# Altium PCB openservo_tessellated.PcbDoc (part 12 of 13)
Units mm, origin at the board's own origin, x right, y up, seen from the top; angles counter-clockwise.
Board outline 225 x 202.5 mm, 2 copper layers (Top Layer, Bottom Layer); 1250 components, 19 nets, 5300 pads, 1100 vias.
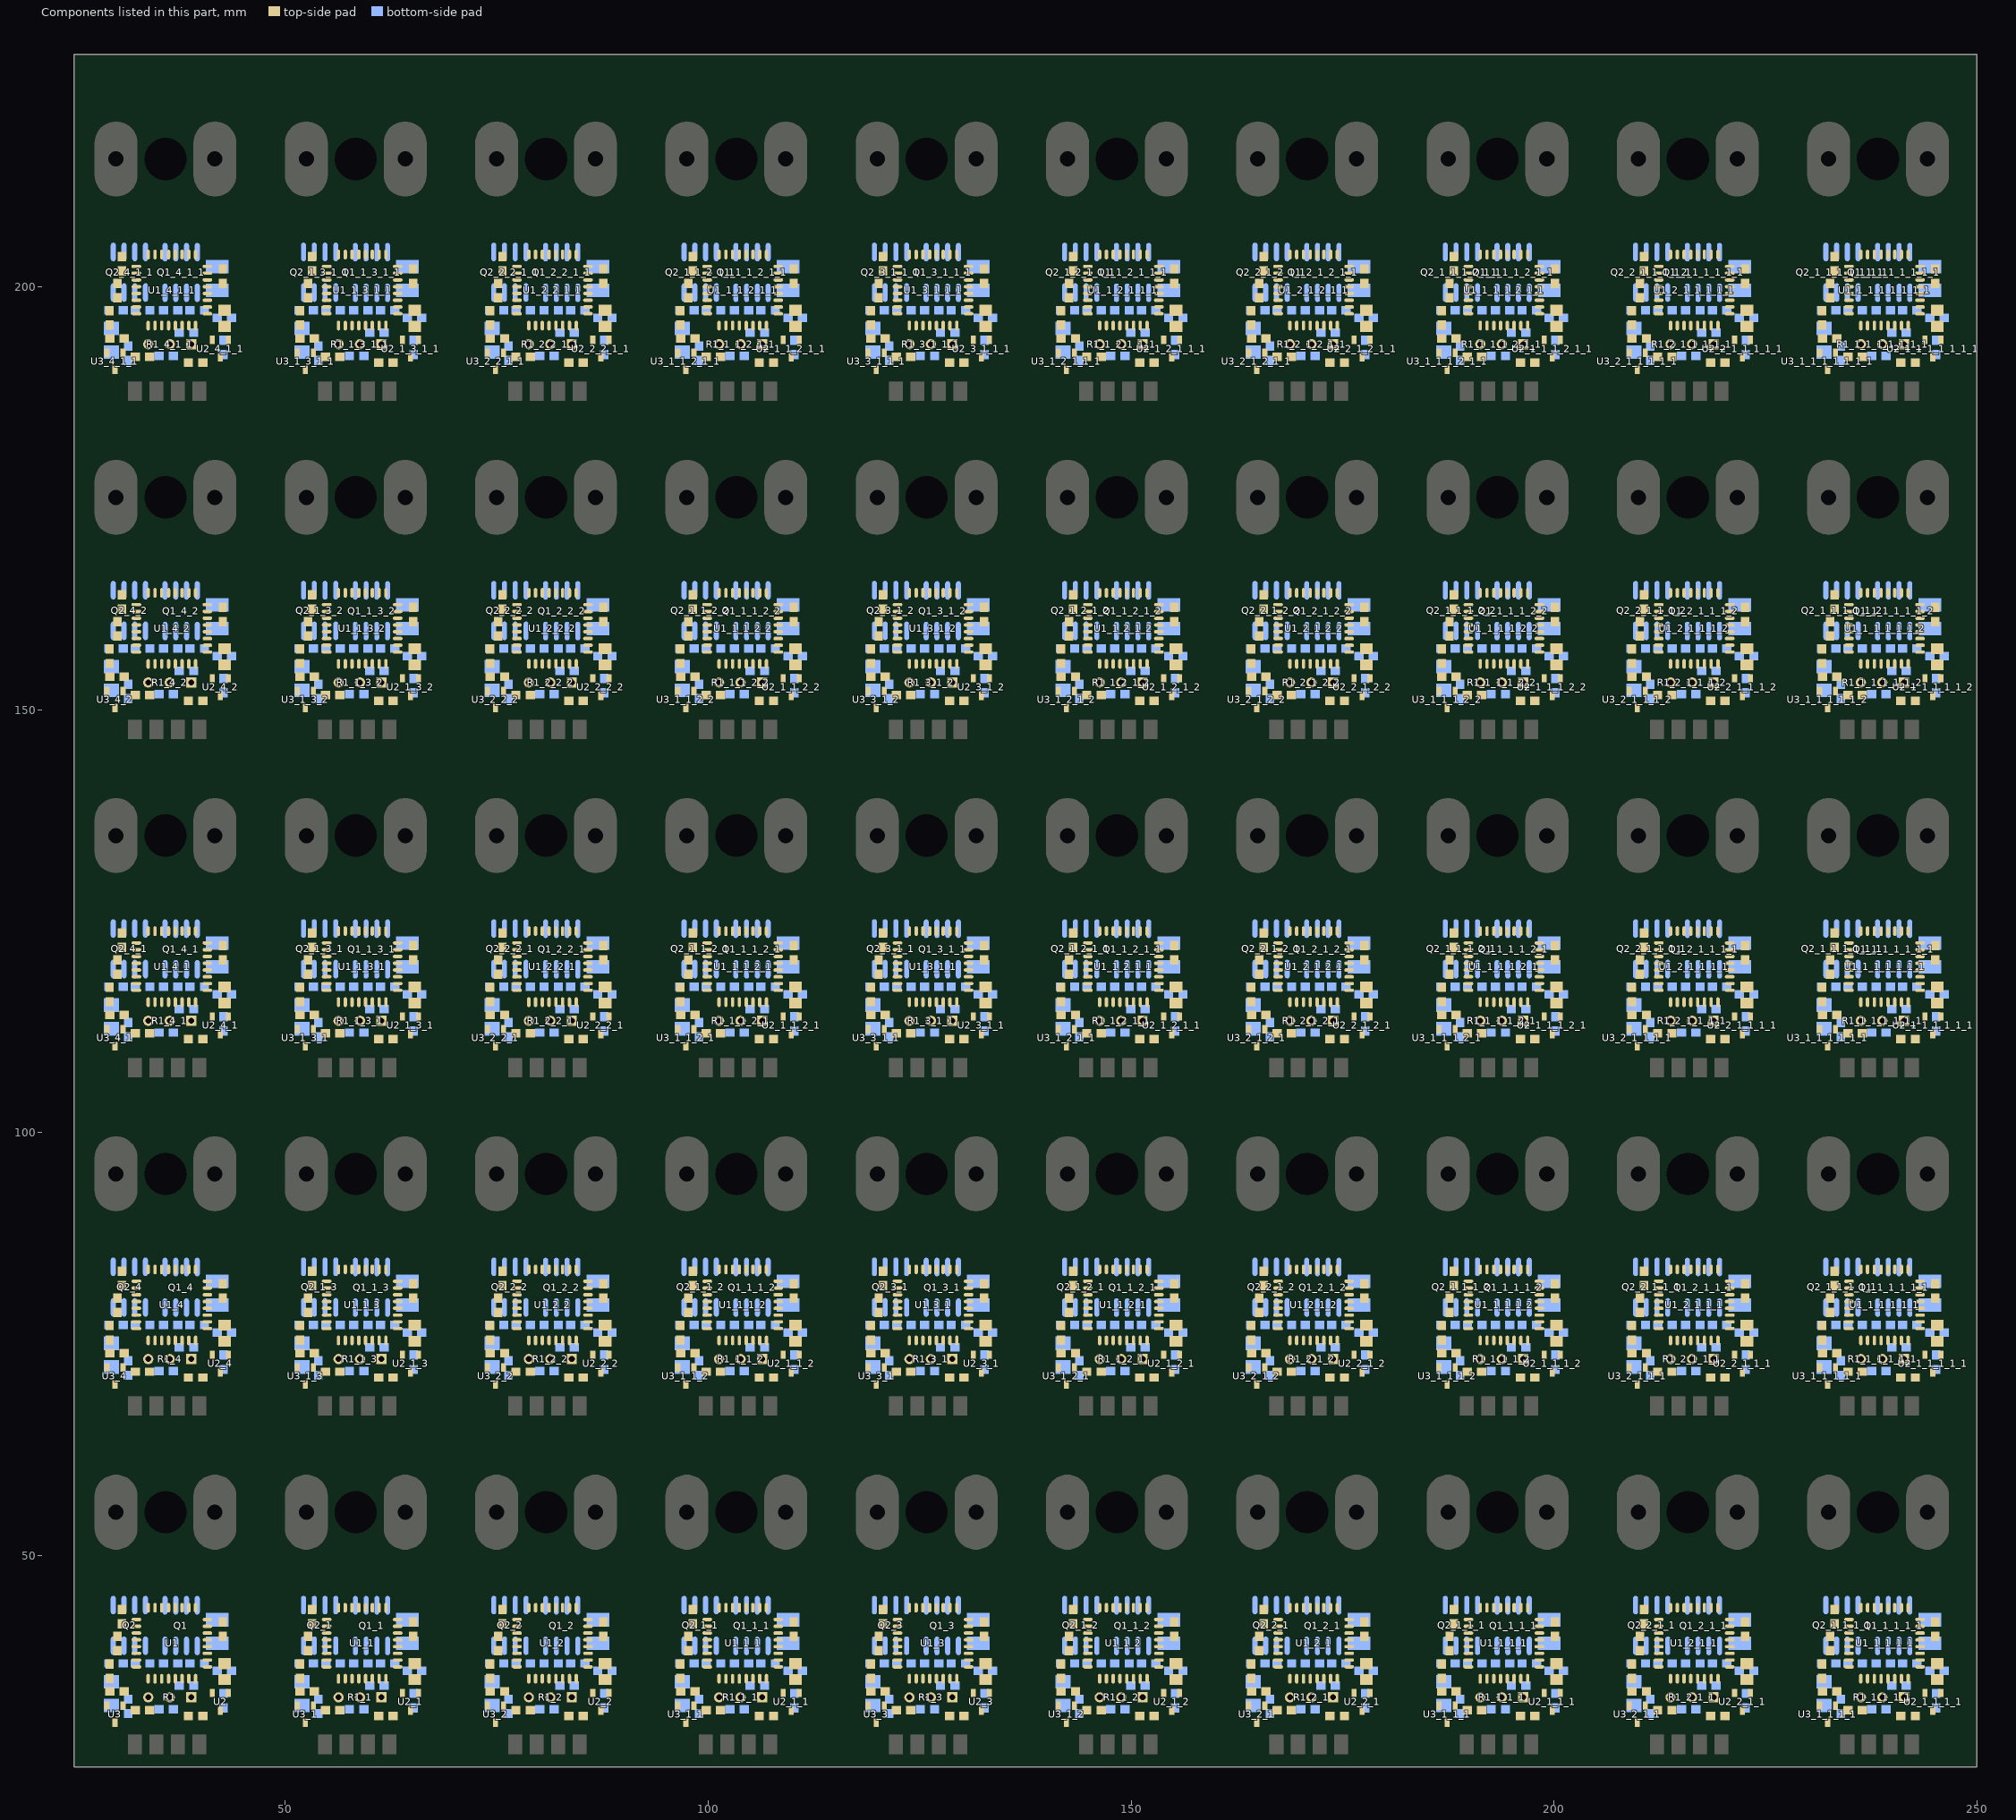
[diagram p12: the components of this part, seen from the top]

## Via types
v1: diameter 0.762, hole 0.35, Top Layer to Bottom Layer, 1000 vias
v2: diameter 1.27, hole 0.7, Top Layer to Bottom Layer, 100 vias

## Nets (pads, with @x,y where several pads share a name; then routed paths per layer and width w, separated by ;. In a path a pad name is that pad's centre, name@x,y a point inside that pad or via, vN(x,y) a via of type N, cw(c..) or ccw(c..) an arc to the next point about the centre after c; other vN are vias at no path point) (continued)
copper on no net: (continued)
  Bottom Layer w0.254: v1(237.298,198.811) 237.171,198.811 237.171,198.9 237.133,198.862 238.263,198.862 ; 238.074,37.236 238.263,37.426 ; 238.074,77.236 238.263,77.426 ; 238.074,117.236 238.263,117.426 ; 238.074,157.236 238.263,157.426 ; 238.074,197.236 238.263,197.426 ; v1(238.111,30.378) 238.06,30.378 238.035,30.404 238.035,30.455 v1@238.225,30.645 ; v1(238.111,70.378) 238.06,70.378 238.035,70.404 238.035,70.455 v1@238.225,70.645 ; v1(238.111,110.378) 238.06,110.378 238.035,110.404 238.035,110.455 v1@238.225,110.645 ; v1(238.111,150.378) 238.06,150.378 238.035,150.404 238.035,150.455 v1@238.225,150.645 ; v1(238.111,190.378) 238.06,190.378 238.035,190.404 238.035,190.455 v1@238.225,190.645 ; 239.533,37.477 239.774,37.236 ; 239.533,77.477 239.774,77.236 ; 239.533,117.477 239.774,117.236 ; 239.533,157.477 239.774,157.236 ; 239.533,197.477 239.774,197.236 ; 239.762,27.661 239.794,27.661 241.382,29.248 244.677,29.248 v1(245.553,30.124) ; 239.762,67.661 239.794,67.661 241.382,69.248 244.677,69.248 v1(245.553,70.124) ; 239.762,107.661 239.794,107.661 241.382,109.248 244.677,109.248 v1(245.553,110.124) ; 239.762,147.661 239.794,147.661 241.382,149.248 244.677,149.248 v1(245.553,150.124) ; 239.762,187.661 239.794,187.661 241.382,189.248 244.677,189.248 v1(245.553,190.124) ; 240.803,39.307 v1@240.803,41.123 ; 240.803,79.307 v1@240.803,81.123 ; 240.803,119.307 v1@240.803,121.123 ; 240.803,159.307 v1@240.803,161.123 ; 240.803,199.307 v1@240.803,201.123 ; 241.006,37.453 241.223,37.236 ; 241.006,77.453 241.223,77.236 ; 241.006,117.453 241.223,117.236 ; 241.006,157.453 241.223,157.236 ; 241.006,197.453 241.223,197.236 ; 241.337,33.35 241.337,34.608 241.552,34.823 ; 241.337,73.35 241.337,74.608 241.552,74.823 ; 241.337,113.35 241.337,114.608 241.552,114.823 ; 241.337,153.35 241.337,154.608 241.552,154.823 ; 241.337,193.35 241.337,194.608 241.552,194.823 ; 241.653,34.595 241.653,35.584 ; 241.653,74.595 241.653,75.584 ; 241.653,114.595 241.653,115.584 ; 241.653,154.595 241.653,155.584 ; 241.653,194.595 241.653,195.584 ; 242.073,39.307 242.154,39.226 ; 242.073,42.37 242.099,42.396 ; 242.073,79.307 242.154,79.226 ; 242.073,82.37 242.099,82.396 ; 242.073,119.307 242.154,119.226 ; 242.073,122.37 242.099,122.396 ; 242.073,159.307 242.154,159.226 ; 242.073,162.37 242.099,162.396 ; 242.073,199.307 242.154,199.226 ; 242.073,202.37 242.099,202.396 ; 244.168,36.092 244.424,36.347 ; 244.168,76.092 244.424,76.347 ; 244.168,116.092 244.424,116.347 ; 244.168,156.092 244.424,156.347 ; 244.168,196.092 244.424,196.347 ; 246.337,42.396 246.417,42.316 ; 246.337,82.396 246.417,82.316 ; 246.337,122.396 246.417,122.316 ; 246.337,162.396 246.417,162.316 ; 246.337,202.396 246.417,202.316
  Bottom Layer w0.508: 29.642,77.756 29.642,79.332 ; 29.642,117.756 29.642,119.332 ; 29.642,157.756 29.642,159.332 ; 29.642,197.756 29.642,199.332 ; 30.912,77.326 30.912,79.332 ; 30.912,117.326 30.912,119.332 ; 30.912,157.326 30.912,159.332 ; 30.912,197.326 30.912,199.332 ; 32.182,77.326 32.182,79.332 ; 32.182,117.326 32.182,119.332 ; 32.182,157.326 32.182,159.332 ; 32.182,197.326 32.182,199.332 ; 33.452,77.756 33.452,79.332 ; 33.452,117.756 33.452,119.332 ; 33.452,157.756 33.452,159.332 ; 33.452,197.756 33.452,199.332 ; 33.523,79.598 34.223,80.297 34.811,80.297 35.429,80.915 36.775,80.915 37.376,81.516 37.376,81.543 38.229,82.396 39.599,82.396 41.935,82.396 ; 33.523,119.598 34.223,120.297 34.811,120.297 35.429,120.915 36.775,120.915 37.376,121.516 37.376,121.543 38.229,122.396 39.599,122.396 41.935,122.396 ; 33.523,159.598 34.223,160.297 34.811,160.297 35.429,160.915 36.775,160.915 37.376,161.516 37.376,161.543 38.229,162.396 39.599,162.396 41.935,162.396 ; 33.523,199.598 34.223,200.297 34.811,200.297 35.429,200.915 36.775,200.915 37.376,201.516 37.376,201.543 38.229,202.396 39.599,202.396 41.935,202.396 ; 35.763,77.426 35.763,79.307 ; 35.763,117.426 35.763,119.307 ; 35.763,157.426 35.763,159.307 ; 35.763,197.426 35.763,199.307 ; 37.033,77.477 37.033,79.307 ; 37.033,117.477 37.033,119.307 ; 37.033,157.477 37.033,159.307 ; 37.033,197.477 37.033,199.307 ; 38.303,79.307 38.303,78.534 38.506,78.331 38.506,77.453 ; 38.303,119.307 38.303,118.534 38.506,118.331 38.506,117.453 ; 38.303,159.307 38.303,158.534 38.506,158.331 38.506,157.453 ; 38.303,199.307 38.303,198.534 38.506,198.331 38.506,197.453 ; 39.573,79.307 39.573,82.37 ; 39.573,119.307 39.573,122.37 ; 39.573,159.307 39.573,162.37 ; 39.573,199.307 39.573,202.37 ; 39.654,79.226 39.654,78.476 40.423,77.707 40.423,77.236 ; 39.654,119.226 39.654,118.476 40.423,117.707 40.423,117.236 ; 39.654,159.226 39.654,158.476 40.423,157.707 40.423,157.236 ; 39.654,199.226 39.654,198.476 40.423,197.707 40.423,197.236 ; 52.142,37.756 52.142,39.332 ; 52.142,77.756 52.142,79.332 ; 52.142,117.756 52.142,119.332 ; 52.142,157.756 52.142,159.332 ; 52.142,197.756 52.142,199.332 ; 53.412,37.326 53.412,39.332 ; 53.412,77.326 53.412,79.332 ; 53.412,117.326 53.412,119.332 ; 53.412,157.326 53.412,159.332 ; 53.412,197.326 53.412,199.332 ; 54.682,37.326 54.682,39.332 ; 54.682,77.326 54.682,79.332 ; 54.682,117.326 54.682,119.332 ; 54.682,157.326 54.682,159.332 ; 54.682,197.326 54.682,199.332 ; 55.952,37.756 55.952,39.332 ; 55.952,77.756 55.952,79.332 ; 55.952,117.756 55.952,119.332 ; 55.952,157.756 55.952,159.332 ; 55.952,197.756 55.952,199.332 ; 56.023,39.598 56.723,40.297 57.311,40.297 57.929,40.915 59.275,40.915 59.876,41.516 59.876,41.543 60.729,42.396 62.099,42.396 64.435,42.396 ; 56.023,79.598 56.723,80.297 57.311,80.297 57.929,80.915 59.275,80.915 59.876,81.516 59.876,81.543 60.729,82.396 62.099,82.396 64.435,82.396 ; 56.023,119.598 56.723,120.297 57.311,120.297 57.929,120.915 59.275,120.915 59.876,121.516 59.876,121.543 60.729,122.396 62.099,122.396 64.435,122.396 ; 56.023,159.598 56.723,160.297 57.311,160.297 57.929,160.915 59.275,160.915 59.876,161.516 59.876,161.543 60.729,162.396 62.099,162.396 64.435,162.396 ; 56.023,199.598 56.723,200.297 57.311,200.297 57.929,200.915 59.275,200.915 59.876,201.516 59.876,201.543 60.729,202.396 62.099,202.396 64.435,202.396 ; 58.263,37.426 58.263,39.307 ; 58.263,77.426 58.263,79.307 ; 58.263,117.426 58.263,119.307 ; 58.263,157.426 58.263,159.307 ; 58.263,197.426 58.263,199.307 ; 59.533,37.477 59.533,39.307 ; 59.533,77.477 59.533,79.307 ; 59.533,117.477 59.533,119.307 ; 59.533,157.477 59.533,159.307 ; 59.533,197.477 59.533,199.307 ; 60.803,39.307 60.803,38.534 61.006,38.331 61.006,37.453 ; 60.803,79.307 60.803,78.534 61.006,78.331 61.006,77.453 ; 60.803,119.307 60.803,118.534 61.006,118.331 61.006,117.453 ; 60.803,159.307 60.803,158.534 61.006,158.331 61.006,157.453 ; 60.803,199.307 60.803,198.534 61.006,198.331 61.006,197.453 ; 62.073,39.307 62.073,42.37 ; 62.073,79.307 62.073,82.37 ; 62.073,119.307 62.073,122.37 ; 62.073,159.307 62.073,162.37 ; 62.073,199.307 62.073,202.37 ; 62.154,39.226 62.154,38.476 62.923,37.707 62.923,37.236 ; 62.154,79.226 62.154,78.476 62.923,77.707 62.923,77.236 ; 62.154,119.226 62.154,118.476 62.923,117.707 62.923,117.236 ; 62.154,159.226 62.154,158.476 62.923,157.707 62.923,157.236 ; 62.154,199.226 62.154,198.476 62.923,197.707 62.923,197.236 ; 74.642,37.756 74.642,39.332 ; 74.642,77.756 74.642,79.332 ; 74.642,117.756 74.642,119.332 ; 74.642,157.756 74.642,159.332 ; 74.642,197.756 74.642,199.332 ; 75.912,37.326 75.912,39.332 ; 75.912,77.326 75.912,79.332 ; 75.912,117.326 75.912,119.332 ; 75.912,157.326 75.912,159.332 ; 75.912,197.326 75.912,199.332 ; 77.182,37.326 77.182,39.332 ; 77.182,77.326 77.182,79.332 ; 77.182,117.326 77.182,119.332 ; 77.182,157.326 77.182,159.332 ; 77.182,197.326 77.182,199.332 ; 78.452,37.756 78.452,39.332 ; 78.452,77.756 78.452,79.332 ; 78.452,117.756 78.452,119.332 ; 78.452,157.756 78.452,159.332 ; 78.452,197.756 78.452,199.332 ; 78.523,39.598 79.223,40.297 79.811,40.297 80.429,40.915 81.775,40.915 82.376,41.516 82.376,41.543 83.229,42.396 84.599,42.396 86.935,42.396 ; 78.523,79.598 79.223,80.297 79.811,80.297 80.429,80.915 81.775,80.915 82.376,81.516 82.376,81.543 83.229,82.396 84.599,82.396 86.935,82.396 ; 78.523,119.598 79.223,120.297 79.811,120.297 80.429,120.915 81.775,120.915 82.376,121.516 82.376,121.543 83.229,122.396 84.599,122.396 86.935,122.396 ; 78.523,159.598 79.223,160.297 79.811,160.297 80.429,160.915 81.775,160.915 82.376,161.516 82.376,161.543 83.229,162.396 84.599,162.396 86.935,162.396 ; 78.523,199.598 79.223,200.297 79.811,200.297 80.429,200.915 81.775,200.915 82.376,201.516 82.376,201.543 83.229,202.396 84.599,202.396 86.935,202.396 ; 80.763,37.426 80.763,39.307 ; 80.763,77.426 80.763,79.307 ; 80.763,117.426 80.763,119.307 ; 80.763,157.426 80.763,159.307 ; 80.763,197.426 80.763,199.307 ; 82.033,37.477 82.033,39.307 ; 82.033,77.477 82.033,79.307 ; 82.033,117.477 82.033,119.307 ; 82.033,157.477 82.033,159.307 ; 82.033,197.477 82.033,199.307 ; 83.303,39.307 83.303,38.534 83.506,38.331 83.506,37.453 ; 83.303,79.307 83.303,78.534 83.506,78.331 83.506,77.453 ; 83.303,119.307 83.303,118.534 83.506,118.331 83.506,117.453 ; 83.303,159.307 83.303,158.534 83.506,158.331 83.506,157.453 ; 83.303,199.307 83.303,198.534 83.506,198.331 83.506,197.453 ; 84.573,39.307 84.573,42.37 ; 84.573,79.307 84.573,82.37 ; 84.573,119.307 84.573,122.37 ; 84.573,159.307 84.573,162.37 ; 84.573,199.307 84.573,202.37 ; 84.654,39.226 84.654,38.476 85.423,37.707 85.423,37.236 ; 84.654,79.226 84.654,78.476 85.423,77.707 85.423,77.236 ; 84.654,119.226 84.654,118.476 85.423,117.707 85.423,117.236 ; 84.654,159.226 84.654,158.476 85.423,157.707 85.423,157.236 ; 84.654,199.226 84.654,198.476 85.423,197.707 85.423,197.236 ; 97.142,37.756 97.142,39.332 ; 97.142,77.756 97.142,79.332 ; 97.142,117.756 97.142,119.332 ; 97.142,157.756 97.142,159.332 ; 97.142,197.756 97.142,199.332 ; 98.412,37.326 98.412,39.332 ; 98.412,77.326 98.412,79.332 ; 98.412,117.326 98.412,119.332 ; 98.412,157.326 98.412,159.332 ; 98.412,197.326 98.412,199.332 ; 99.682,37.326 99.682,39.332 ; 99.682,77.326 99.682,79.332 ; 99.682,117.326 99.682,119.332 ; 99.682,157.326 99.682,159.332 ; 99.682,197.326 99.682,199.332 ; 100.952,37.756 100.952,39.332 ; 100.952,77.756 100.952,79.332 ; 100.952,117.756 100.952,119.332 ; 100.952,157.756 100.952,159.332 ; 100.952,197.756 100.952,199.332 ; 101.023,39.598 101.723,40.297 102.311,40.297 102.929,40.915 104.275,40.915 104.876,41.516 104.876,41.543 105.729,42.396 107.099,42.396 109.435,42.396 ; 101.023,79.598 101.723,80.297 102.311,80.297 102.929,80.915 104.275,80.915 104.876,81.516 104.876,81.543 105.729,82.396 107.099,82.396 109.435,82.396 ; 101.023,119.598 101.723,120.297 102.311,120.297 102.929,120.915 104.275,120.915 104.876,121.516 104.876,121.543 105.729,122.396 107.099,122.396 109.435,122.396 ; 101.023,159.598 101.723,160.297 102.311,160.297 102.929,160.915 104.275,160.915 104.876,161.516 104.876,161.543 105.729,162.396 107.099,162.396 109.435,162.396 ; 101.023,199.598 101.723,200.297 102.311,200.297 102.929,200.915 104.275,200.915 104.876,201.516 104.876,201.543 105.729,202.396 107.099,202.396 109.435,202.396 ; 103.263,37.426 103.263,39.307 ; 103.263,77.426 103.263,79.307 ; 103.263,117.426 103.263,119.307 ; 103.263,157.426 103.263,159.307 ; 103.263,197.426 103.263,199.307 ; 104.533,37.477 104.533,39.307 ; 104.533,77.477 104.533,79.307 ; 104.533,117.477 104.533,119.307 ; 104.533,157.477 104.533,159.307 ; 104.533,197.477 104.533,199.307 ; 105.803,39.307 105.803,38.534 106.006,38.331 106.006,37.453 ; 105.803,79.307 105.803,78.534 106.006,78.331 106.006,77.453 ; 105.803,119.307 105.803,118.534 106.006,118.331 106.006,117.453 ; 105.803,159.307 105.803,158.534 106.006,158.331 106.006,157.453 ; 105.803,199.307 105.803,198.534 106.006,198.331 106.006,197.453 ; 107.073,39.307 107.073,42.37 ; 107.073,79.307 107.073,82.37 ; 107.073,119.307 107.073,122.37 ; 107.073,159.307 107.073,162.37 ; 107.073,199.307 107.073,202.37 ; 107.154,39.226 107.154,38.476 107.923,37.707 107.923,37.236 ; 107.154,79.226 107.154,78.476 107.923,77.707 107.923,77.236 ; 107.154,119.226 107.154,118.476 107.923,117.707 107.923,117.236 ; 107.154,159.226 107.154,158.476 107.923,157.707 107.923,157.236 ; 107.154,199.226 107.154,198.476 107.923,197.707 107.923,197.236 ; 119.642,37.756 119.642,39.332 ; 119.642,77.756 119.642,79.332 ; 119.642,117.756 119.642,119.332 ; 119.642,157.756 119.642,159.332 ; 119.642,197.756 119.642,199.332 ; 120.912,37.326 120.912,39.332 ; 120.912,77.326 120.912,79.332 ; 120.912,117.326 120.912,119.332 ; 120.912,157.326 120.912,159.332 ; 120.912,197.326 120.912,199.332 ; 122.182,37.326 122.182,39.332 ; 122.182,77.326 122.182,79.332 ; 122.182,117.326 122.182,119.332 ; 122.182,157.326 122.182,159.332 ; 122.182,197.326 122.182,199.332 ; 123.452,37.756 123.452,39.332 ; 123.452,77.756 123.452,79.332 ; 123.452,117.756 123.452,119.332 ; 123.452,157.756 123.452,159.332 ; 123.452,197.756 123.452,199.332 ; 123.523,39.598 124.223,40.297 124.811,40.297 125.429,40.915 126.775,40.915 127.376,41.516 127.376,41.543 128.229,42.396 129.599,42.396 131.935,42.396 ; 123.523,79.598 124.223,80.297 124.811,80.297 125.429,80.915 126.775,80.915 127.376,81.516 127.376,81.543 128.229,82.396 129.599,82.396 131.935,82.396 ; 123.523,119.598 124.223,120.297 124.811,120.297 125.429,120.915 126.775,120.915 127.376,121.516 127.376,121.543 128.229,122.396 129.599,122.396 131.935,122.396 ; 123.523,159.598 124.223,160.297 124.811,160.297 125.429,160.915 126.775,160.915 127.376,161.516 127.376,161.543 128.229,162.396 129.599,162.396 131.935,162.396 ; 123.523,199.598 124.223,200.297 124.811,200.297 125.429,200.915 126.775,200.915 127.376,201.516 127.376,201.543 128.229,202.396 129.599,202.396 131.935,202.396 ; 125.763,37.426 125.763,39.307 ; 125.763,77.426 125.763,79.307 ; 125.763,117.426 125.763,119.307 ; 125.763,157.426 125.763,159.307 ; 125.763,197.426 125.763,199.307 ; 127.033,37.477 127.033,39.307 ; 127.033,77.477 127.033,79.307 ; 127.033,117.477 127.033,119.307 ; 127.033,157.477 127.033,159.307 ; 127.033,197.477 127.033,199.307 ; 128.303,39.307 128.303,38.534 128.506,38.331 128.506,37.453 ; 128.303,79.307 128.303,78.534 128.506,78.331 128.506,77.453 ; 128.303,119.307 128.303,118.534 128.506,118.331 128.506,117.453 ; 128.303,159.307 128.303,158.534 128.506,158.331 128.506,157.453 ; 128.303,199.307 128.303,198.534 128.506,198.331 128.506,197.453 ; 129.573,39.307 129.573,42.37 ; 129.573,79.307 129.573,82.37 ; 129.573,119.307 129.573,122.37 ; 129.573,159.307 129.573,162.37 ; 129.573,199.307 129.573,202.37 ; 129.654,39.226 129.654,38.476 130.423,37.707 130.423,37.236 ; 129.654,79.226 129.654,78.476 130.423,77.707 130.423,77.236 ; 129.654,119.226 129.654,118.476 130.423,117.707 130.423,117.236 ; 129.654,159.226 129.654,158.476 130.423,157.707 130.423,157.236 ; 129.654,199.226 129.654,198.476 130.423,197.707 130.423,197.236 ; 142.142,37.756 142.142,39.332 ; 142.142,77.756 142.142,79.332 ; 142.142,117.756 142.142,119.332 ; 142.142,157.756 142.142,159.332 ; 142.142,197.756 142.142,199.332 ; 143.412,37.326 143.412,39.332 ; 143.412,77.326 143.412,79.332 ; 143.412,117.326 143.412,119.332 ; 143.412,157.326 143.412,159.332 ; 143.412,197.326 143.412,199.332 ; 144.682,37.326 144.682,39.332 ; 144.682,77.326 144.682,79.332 ; 144.682,117.326 144.682,119.332 ; 144.682,157.326 144.682,159.332 ; 144.682,197.326 144.682,199.332 ; 145.952,37.756 145.952,39.332 ; 145.952,77.756 145.952,79.332 ; 145.952,117.756 145.952,119.332 ; 145.952,157.756 145.952,159.332 ; 145.952,197.756 145.952,199.332 ; 146.023,39.598 146.723,40.297 147.311,40.297 147.929,40.915 149.275,40.915 149.876,41.516 149.876,41.543 150.729,42.396 152.099,42.396 154.435,42.396 ; 146.023,79.598 146.723,80.297 147.311,80.297 147.929,80.915 149.275,80.915 149.876,81.516 149.876,81.543 150.729,82.396 152.099,82.396 154.435,82.396 ; 146.023,119.598 146.723,120.297 147.311,120.297 147.929,120.915 149.275,120.915 149.876,121.516 149.876,121.543 150.729,122.396 152.099,122.396 154.435,122.396 ; 146.023,159.598 146.723,160.297 147.311,160.297 147.929,160.915 149.275,160.915 149.876,161.516 149.876,161.543 150.729,162.396 152.099,162.396 154.435,162.396 ; 146.023,199.598 146.723,200.297 147.311,200.297 147.929,200.915 149.275,200.915 149.876,201.516 149.876,201.543 150.729,202.396 152.099,202.396 154.435,202.396 ; 148.263,37.426 148.263,39.307 ; 148.263,77.426 148.263,79.307 ; 148.263,117.426 148.263,119.307 ; 148.263,157.426 148.263,159.307 ; 148.263,197.426 148.263,199.307 ; 149.533,37.477 149.533,39.307 ; 149.533,77.477 149.533,79.307 ; 149.533,117.477 149.533,119.307 ; 149.533,157.477 149.533,159.307 ; 149.533,197.477 149.533,199.307 ; 150.803,39.307 150.803,38.534 151.006,38.331 151.006,37.453 ; 150.803,79.307 150.803,78.534 151.006,78.331 151.006,77.453 ; 150.803,119.307 150.803,118.534 151.006,118.331 151.006,117.453 ; 150.803,159.307 150.803,158.534 151.006,158.331 151.006,157.453 ; 150.803,199.307 150.803,198.534 151.006,198.331 151.006,197.453 ; 152.073,39.307 152.073,42.37 ; 152.073,79.307 152.073,82.37 ; 152.073,119.307 152.073,122.37 ; 152.073,159.307 152.073,162.37 ; 152.073,199.307 152.073,202.37 ; 152.154,39.226 152.154,38.476 152.923,37.707 152.923,37.236 ; 152.154,79.226 152.154,78.476 152.923,77.707 152.923,77.236 ; 152.154,119.226 152.154,118.476 152.923,117.707 152.923,117.236 ; 152.154,159.226 152.154,158.476 152.923,157.707 152.923,157.236 ; 152.154,199.226 152.154,198.476 152.923,197.707 152.923,197.236 ; 164.642,37.756 164.642,39.332 ; 164.642,77.756 164.642,79.332 ; 164.642,117.756 164.642,119.332 ; 164.642,157.756 164.642,159.332 ; 164.642,197.756 164.642,199.332 ; 165.912,37.326 165.912,39.332 ; 165.912,77.326 165.912,79.332 ; 165.912,117.326 165.912,119.332 ; 165.912,157.326 165.912,159.332 ; 165.912,197.326 165.912,199.332 ; 167.182,37.326 167.182,39.332 ; 167.182,77.326 167.182,79.332 ; 167.182,117.326 167.182,119.332 ; 167.182,157.326 167.182,159.332 ; 167.182,197.326 167.182,199.332 ; 168.452,37.756 168.452,39.332 ; 168.452,77.756 168.452,79.332 ; 168.452,117.756 168.452,119.332 ; 168.452,157.756 168.452,159.332 ; 168.452,197.756 168.452,199.332 ; 168.523,39.598 169.223,40.297 169.811,40.297 170.429,40.915 171.775,40.915 172.376,41.516 172.376,41.543 173.229,42.396 174.599,42.396 176.935,42.396 ; 168.523,79.598 169.223,80.297 169.811,80.297 170.429,80.915 171.775,80.915 172.376,81.516 172.376,81.543 173.229,82.396 174.599,82.396 176.935,82.396 ; 168.523,119.598 169.223,120.297 169.811,120.297 170.429,120.915 171.775,120.915 172.376,121.516 172.376,121.543 173.229,122.396 174.599,122.396 176.935,122.396 ; 168.523,159.598 169.223,160.297 169.811,160.297 170.429,160.915 171.775,160.915 172.376,161.516 172.376,161.543 173.229,162.396 174.599,162.396 176.935,162.396 ; 168.523,199.598 169.223,200.297 169.811,200.297 170.429,200.915 171.775,200.915 172.376,201.516 172.376,201.543 173.229,202.396 174.599,202.396 176.935,202.396 ; 170.763,37.426 170.763,39.307 ; 170.763,77.426 170.763,79.307 ; 170.763,117.426 170.763,119.307 ; 170.763,157.426 170.763,159.307 ; 170.763,197.426 170.763,199.307 ; 172.033,37.477 172.033,39.307 ; 172.033,77.477 172.033,79.307 ; 172.033,117.477 172.033,119.307 ; 172.033,157.477 172.033,159.307 ; 172.033,197.477 172.033,199.307 ; 173.303,39.307 173.303,38.534 173.506,38.331 173.506,37.453 ; 173.303,79.307 173.303,78.534 173.506,78.331 173.506,77.453 ; 173.303,119.307 173.303,118.534 173.506,118.331 173.506,117.453 ; 173.303,159.307 173.303,158.534 173.506,158.331 173.506,157.453 ; 173.303,199.307 173.303,198.534 173.506,198.331 173.506,197.453 ; 174.573,39.307 174.573,42.37 ; 174.573,79.307 174.573,82.37 ; 174.573,119.307 174.573,122.37 ; 174.573,159.307 174.573,162.37 ; 174.573,199.307 174.573,202.37 ; 174.654,39.226 174.654,38.476 175.423,37.707 175.423,37.236 ; 174.654,79.226 174.654,78.476 175.423,77.707 175.423,77.236 ; 174.654,119.226 174.654,118.476 175.423,117.707 175.423,117.236 ; 174.654,159.226 174.654,158.476 175.423,157.707 175.423,157.236 ; 174.654,199.226 174.654,198.476 175.423,197.707 175.423,197.236 ; 187.142,37.756 187.142,39.332 ; 187.142,77.756 187.142,79.332 ; 187.142,117.756 187.142,119.332 ; 187.142,157.756 187.142,159.332 ; 187.142,197.756 187.142,199.332 ; 188.412,37.326 188.412,39.332 ; 188.412,77.326 188.412,79.332 ; 188.412,117.326 188.412,119.332 ; 188.412,157.326 188.412,159.332 ; 188.412,197.326 188.412,199.332 ; 189.682,37.326 189.682,39.332 ; 189.682,77.326 189.682,79.332 ; 189.682,117.326 189.682,119.332 ; 189.682,157.326 189.682,159.332 ; 189.682,197.326 189.682,199.332 ; 190.952,37.756 190.952,39.332 ; 190.952,77.756 190.952,79.332 ; 190.952,117.756 190.952,119.332 ; 190.952,157.756 190.952,159.332 ; 190.952,197.756 190.952,199.332 ; 191.023,39.598 191.723,40.297 192.311,40.297 192.929,40.915 194.275,40.915 194.876,41.516 194.876,41.543 195.729,42.396 197.099,42.396 199.435,42.396 ; 191.023,79.598 191.723,80.297 192.311,80.297 192.929,80.915 194.275,80.915 194.876,81.516 194.876,81.543 195.729,82.396 197.099,82.396 199.435,82.396 ; 191.023,119.598 191.723,120.297 192.311,120.297 192.929,120.915 194.275,120.915 194.876,121.516 194.876,121.543 195.729,122.396 197.099,122.396 199.435,122.396 ; 191.023,159.598 191.723,160.297 192.311,160.297 192.929,160.915 194.275,160.915 194.876,161.516 194.876,161.543 195.729,162.396 197.099,162.396 199.435,162.396 ; 191.023,199.598 191.723,200.297 192.311,200.297 192.929,200.915 194.275,200.915 194.876,201.516 194.876,201.543 195.729,202.396 197.099,202.396 199.435,202.396 ; 193.263,37.426 193.263,39.307 ; 193.263,77.426 193.263,79.307 ; 193.263,117.426 193.263,119.307 ; 193.263,157.426 193.263,159.307 ; 193.263,197.426 193.263,199.307 ; 194.533,37.477 194.533,39.307 ; 194.533,77.477 194.533,79.307 ; 194.533,117.477 194.533,119.307 ; 194.533,157.477 194.533,159.307 ; 194.533,197.477 194.533,199.307 ; 195.803,39.307 195.803,38.534 196.006,38.331 196.006,37.453 ; 195.803,79.307 195.803,78.534 196.006,78.331 196.006,77.453 ; 195.803,119.307 195.803,118.534 196.006,118.331 196.006,117.453 ; 195.803,159.307 195.803,158.534 196.006,158.331 196.006,157.453 ; 195.803,199.307 195.803,198.534 196.006,198.331 196.006,197.453 ; 197.073,39.307 197.073,42.37 ; 197.073,79.307 197.073,82.37 ; 197.073,119.307 197.073,122.37 ; 197.073,159.307 197.073,162.37 ; 197.073,199.307 197.073,202.37 ; 197.154,39.226 197.154,38.476 197.923,37.707 197.923,37.236 ; 197.154,79.226 197.154,78.476 197.923,77.707 197.923,77.236 ; 197.154,119.226 197.154,118.476 197.923,117.707 197.923,117.236 ; 197.154,159.226 197.154,158.476 197.923,157.707 197.923,157.236 ; 197.154,199.226 197.154,198.476 197.923,197.707 197.923,197.236 ; 209.642,37.756 209.642,39.332 ; 209.642,77.756 209.642,79.332 ; 209.642,117.756 209.642,119.332 ; 209.642,157.756 209.642,159.332 ; 209.642,197.756 209.642,199.332 ; 210.912,37.326 210.912,39.332 ; 210.912,77.326 210.912,79.332 ; 210.912,117.326 210.912,119.332 ; 210.912,157.326 210.912,159.332 ; 210.912,197.326 210.912,199.332 ; 212.182,37.326 212.182,39.332 ; 212.182,77.326 212.182,79.332 ; 212.182,117.326 212.182,119.332 ; 212.182,157.326 212.182,159.332 ; 212.182,197.326 212.182,199.332 ; 213.452,37.756 213.452,39.332 ; 213.452,77.756 213.452,79.332 ; 213.452,117.756 213.452,119.332 ; 213.452,157.756 213.452,159.332 ; 213.452,197.756 213.452,199.332 ; 213.523,39.598 214.223,40.297 214.811,40.297 215.429,40.915 216.775,40.915 217.376,41.516 217.376,41.543 218.229,42.396 219.599,42.396 221.935,42.396 ; 213.523,79.598 214.223,80.297 214.811,80.297 215.429,80.915 216.775,80.915 217.376,81.516 217.376,81.543 218.229,82.396 219.599,82.396 221.935,82.396 ; 213.523,119.598 214.223,120.297 214.811,120.297 215.429,120.915 216.775,120.915 217.376,121.516 217.376,121.543 218.229,122.396 219.599,122.396 221.935,122.396 ; 213.523,159.598 214.223,160.297 214.811,160.297 215.429,160.915 216.775,160.915 217.376,161.516 217.376,161.543 218.229,162.396 219.599,162.396 221.935,162.396 ; 213.523,199.598 214.223,200.297 214.811,200.297 215.429,200.915 216.775,200.915 217.376,201.516 217.376,201.543 218.229,202.396 219.599,202.396 221.935,202.396 ; 215.763,37.426 215.763,39.307 ; 215.763,77.426 215.763,79.307 ; 215.763,117.426 215.763,119.307 ; 215.763,157.426 215.763,159.307 ; 215.763,197.426 215.763,199.307 ; 217.033,37.477 217.033,39.307 ; 217.033,77.477 217.033,79.307 ; 217.033,117.477 217.033,119.307 ; 217.033,157.477 217.033,159.307 ; 217.033,197.477 217.033,199.307 ; 218.303,39.307 218.303,38.534 218.506,38.331 218.506,37.453 ; 218.303,79.307 218.303,78.534 218.506,78.331 218.506,77.453 ; 218.303,119.307 218.303,118.534 218.506,118.331 218.506,117.453 ; 218.303,159.307 218.303,158.534 218.506,158.331 218.506,157.453 ; 218.303,199.307 218.303,198.534 218.506,198.331 218.506,197.453 ; 219.573,39.307 219.573,42.37 ; 219.573,79.307 219.573,82.37 ; 219.573,119.307 219.573,122.37 ; 219.573,159.307 219.573,162.37 ; 219.573,199.307 219.573,202.37 ; 219.654,39.226 219.654,38.476 220.423,37.707 220.423,37.236 ; 219.654,79.226 219.654,78.476 220.423,77.707 220.423,77.236 ; 219.654,119.226 219.654,118.476 220.423,117.707 220.423,117.236 ; 219.654,159.226 219.654,158.476 220.423,157.707 220.423,157.236 ; 219.654,199.226 219.654,198.476 220.423,197.707 220.423,197.236 ; 232.142,37.756 232.142,39.332 ; 232.142,77.756 232.142,79.332 ; 232.142,117.756 232.142,119.332 ; 232.142,157.756 232.142,159.332 ; 232.142,197.756 232.142,199.332 ; 233.412,37.326 233.412,39.332 ; 233.412,77.326 233.412,79.332 ; 233.412,117.326 233.412,119.332 ; 233.412,157.326 233.412,159.332 ; 233.412,197.326 233.412,199.332 ; 234.682,37.326 234.682,39.332 ; 234.682,77.326 234.682,79.332 ; 234.682,117.326 234.682,119.332 ; 234.682,157.326 234.682,159.332 ; 234.682,197.326 234.682,199.332 ; 235.952,37.756 235.952,39.332 ; 235.952,77.756 235.952,79.332 ; 235.952,117.756 235.952,119.332 ; 235.952,157.756 235.952,159.332 ; 235.952,197.756 235.952,199.332 ; 236.023,39.598 236.723,40.297 237.311,40.297 237.929,40.915 239.275,40.915 239.876,41.516 239.876,41.543 240.729,42.396 242.099,42.396 244.435,42.396 ; 236.023,79.598 236.723,80.297 237.311,80.297 237.929,80.915 239.275,80.915 239.876,81.516 239.876,81.543 240.729,82.396 242.099,82.396 244.435,82.396 ; 236.023,119.598 236.723,120.297 237.311,120.297 237.929,120.915 239.275,120.915 239.876,121.516 239.876,121.543 240.729,122.396 242.099,122.396 244.435,122.396 ; 236.023,159.598 236.723,160.297 237.311,160.297 237.929,160.915 239.275,160.915 239.876,161.516 239.876,161.543 240.729,162.396 242.099,162.396 244.435,162.396 ; 236.023,199.598 236.723,200.297 237.311,200.297 237.929,200.915 239.275,200.915 239.876,201.516 239.876,201.543 240.729,202.396 242.099,202.396 244.435,202.396 ; 238.263,37.426 238.263,39.307 ; 238.263,77.426 238.263,79.307 ; 238.263,117.426 238.263,119.307 ; 238.263,157.426 238.263,159.307 ; 238.263,197.426 238.263,199.307 ; 239.533,37.477 239.533,39.307 ; 239.533,77.477 239.533,79.307 ; 239.533,117.477 239.533,119.307 ; 239.533,157.477 239.533,159.307 ; 239.533,197.477 239.533,199.307 ; 240.803,39.307 240.803,38.534 241.006,38.331 241.006,37.453 ; 240.803,79.307 240.803,78.534 241.006,78.331 241.006,77.453 ; 240.803,119.307 240.803,118.534 241.006,118.331 241.006,117.453 ; 240.803,159.307 240.803,158.534 241.006,158.331 241.006,157.453 ; 240.803,199.307 240.803,198.534 241.006,198.331 241.006,197.453 ; 242.073,39.307 242.073,42.37 ; 242.073,79.307 242.073,82.37 ; 242.073,119.307 242.073,122.37 ; 242.073,159.307 242.073,162.37 ; 242.073,199.307 242.073,202.37 ; 242.154,39.226 242.154,38.476 242.923,37.707 242.923,37.236 ; 242.154,79.226 242.154,78.476 242.923,77.707 242.923,77.236 ; 242.154,119.226 242.154,118.476 242.923,117.707 242.923,117.236 ; 242.154,159.226 242.154,158.476 242.923,157.707 242.923,157.236 ; 242.154,199.226 242.154,198.476 242.923,197.707 242.923,197.236